# KiCad board rp2350-decoder.kicad_pcb (continued)
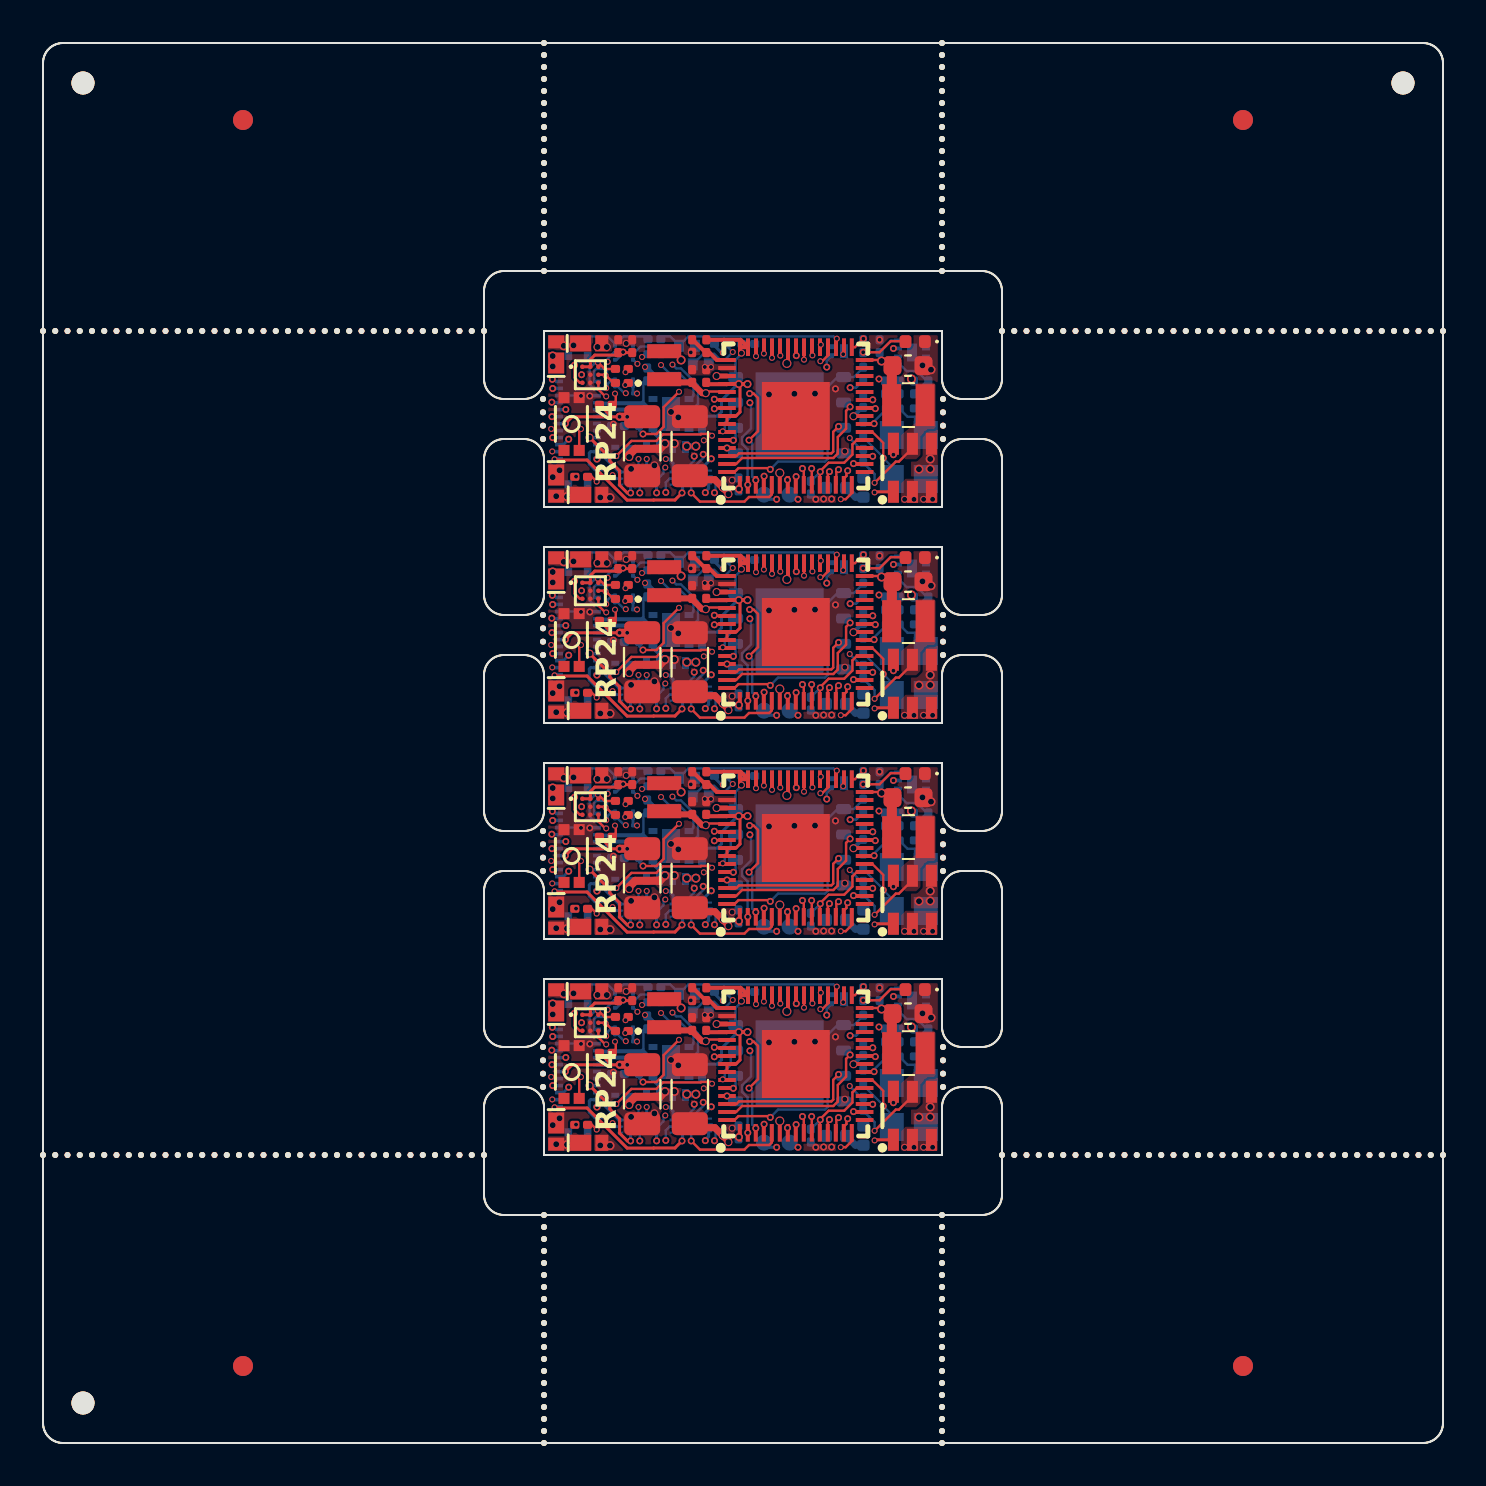
[diagram p0: board, top side]
## Routing (per net, layer and track width the routed paths; a pad name or vN(x,y) marks a point on that pad's centre or on a via; arc(x,y) is an arc through that point) (continued)
Board_2-/COMP_N: length 2.7
  Bottom w0.12: R1#2.2 42.14,30.86 42.78,31.5 R2#3.1 42.35,31.98 42.35,32.47 42.61,32.73 U1.6
Board_2-/COMP_P: length 2.8
  Bottom w0.12: R3#3.2 44.19,31.5 R4#4.1 44.19,31.5 43.7,32 43.18,32 42.85,32.33 U1.5
Board_2-/DCC_TTL_L: length 9.2
  Bottom w0.12: v5(39.69,33.62) 39.67,33.64 39.61,33.64 39.52,33.73 32.27,33.73 31.87,33.33 31.76,33.33 31.36,33.73 31.03,33.73 R6#2.2
Board_2-/DCC_TTL_R: length 6.1
  Top w0.12: U4#2.41 v5(36.45,32.66)
  In2.Cu w0.12: v5(34.49,32.95) 34.49,32.95 34.81,33.27 36.1,33.27 36.45,32.92 v5(36.45,32.66)
  Bottom w0.12: 34.11,33.33 v5(34.49,32.95) 34.1,32.56 33.86,32.56 33.56,32.86 33.02,32.86 D8#4.1
Board_2-/GPIO2: length 4.6
  Top w0.12: U4#2.4 36.04,26.73 v3(36.05,26.74)
  In4.Cu w0.12: v3(33.57,25.91) 33.57,26.3 34.16,26.88 35.91,26.88 v3(36.05,26.74)
  Bottom w0.12: v3(33.57,25.91) 33.62,25.96 33.62,26.55 33.45,26.72 Q7#3.2
Board_2-/GPIO3: length 5.8
  Top w0.12: U4#2.5 36.44,25.83 36.31,25.7 35.3,25.7 35.07,25.47 32.85,25.47 v3(32.41,25.91)
  Bottom w0.12: v3(32.41,25.91) 32.41,26.49 32.54,26.62 Q7#3.5
Board_2-/GPIO4: length 7.6
  In2.Cu w0.12: v3(37.23,26.55) 37.06,26.39 35.99,26.39 35.07,25.47 31.6,25.47 v3(31.14,25.93)
  Bottom w0.12: Q8.5 31.33,26.62 31.14,26.43 v3(31.14,25.93)
Board_2-/GPIO5: length 10.1
  Top w0.12: U4#2.8 37.64,26.71 v3(37.65,26.72)
  In4.Cu w0.12: v3(29.84,25.91) 30.27,25.47 36.08,25.47 36.82,26.21 37.42,26.21 37.6,26.39 37.6,26.67 v3(37.65,26.72)
  Bottom w0.12: v3(29.84,25.91) 29.84,26.52 29.94,26.62 Q6.5
Board_2-/GPIO6: length 11.4
  Top w0.12: v3(37.97,27.12) 38.04,27.06 U4#2.9
  In4.Cu w0.12: v5(28.48,26.79) 28.51,26.79 28.75,26.55 33.49,26.55 34.06,27.12 35.91,27.12 36.22,27.43 37.67,27.43 v3(37.97,27.12)
  Bottom w0.12: v5(28.48,26.79) 28.51,26.79 28.68,26.62 Q5#3.5
Board_2-/GPIO7: length 11.8
  Top w0.12: U4#2.10 38.44,27.12 v3(38.43,27.12)
  In4.Cu w0.12: 38.43,27.15 38.43,27.33 38.1,27.66 36.13,27.66 35.81,27.34 33.96,27.34 33.4,26.78 30.4,26.78 29.74,27.44 29.74,27.52 29.77,27.55 v5(29.77,27.6)
  Bottom w0.12: Q5#3.2 29.64,26.72 29.77,26.85 v5(29.77,27.6)
Board_2-/GPIO8: length 10.4
  Top w0.12: U4#2.12 39.24,26.89 v3(39.32,26.97)
  In4.Cu w0.12: v5(31.11,27.18) 31.2,27.18 31.33,27.05 33.34,27.05 33.87,27.58 35.72,27.58 36.03,27.89 38.42,27.89 39.32,26.99 v3(39.32,26.97)
  Bottom w0.12: v5(31.11,27.18) 31.07,27.18 31.03,27.13 31.03,26.89 30.85,26.72 Q6.2
Board_2-/GPIO9: length 9.8
  Top w0.12: v3(39.78,27.07) 39.67,26.96 39.67,26.34
  In4.Cu w0.12: v3(33.01,27.83) 33.13,27.96 33.56,27.96 33.71,27.8 35.62,27.8 35.93,28.12 38.73,28.12 v3(39.78,27.07)
  Bottom w0.12: v3(33.01,27.83) 33.01,27.65 32.36,27 32.36,26.94 32.14,26.72 Q8.2
Board_2-/GPIO25: length 11.4
  Top w0.12: v5(38.05,32.57) U4#2.37
  In4.Cu w0.12: v5(31.47,32.32) 31.69,32.1 32.09,32.1 32.79,32.8 33.58,32.8 33.94,32.44 35.5,32.44 35.95,31.98 37.47,31.98 v5(38.05,32.57)
  Bottom w0.12: U6.6 32.35,30.1 32.35,30.1 32.5,30.1 32.68,30.28 32.7,30.28 32.7,30.3 32.75,30.35 32.75,31.28 31.9,32.13 31.66,32.13 v5(31.47,32.32)
Board_2-/GPIO26: length 10
  Top w0.12: U4#2.40 36.85,32.78 v5(36.86,32.77)
  In4.Cu w0.12: v5(36.86,32.77) 36.36,33.27 31.57,33.27 30.9,32.6 v5(30.9,32.3)
  Bottom w0.12: v5(30.9,32.3) 31.3,31.9 31.8,31.9 32.52,31.18 32.52,30.77 32.43,30.68 32.4,30.68 32.35,30.63 32.33,30.63 U6.5
Board_2-/I2S_BCLK: length 14.4
  Top w0.12: U5#4.C1 26.84,31.41 26.58,31.67 26.58,32.2 26.58,32.2 v3(26.58,32.29)
  In4.Cu w0.12: v5(38.89,33.31) 38.89,33.37 38.53,33.73 27.73,33.73 27.29,33.29 27.29,33.01 26.58,32.29 v3(26.58,32.29)
Board_2-/I2S_DIN: length 14.5
  Top w0.12: U4#2.34 39.25,32.78 38.96,32.49 v5(38.87,32.49)
  In4.Cu w0.12: v5(38.87,32.49) 38.87,32.88 38.25,33.5 30.19,33.5 29.29,32.6 28.57,32.6 28.39,32.78 27.59,32.78 26.93,32.11 v3(26.93,31.81)
Board_2-/I2S_LRCLK: length 15.9
  Top w0.12: U5#4.C3 27.77,31.08 28.12,30.73 v5(28.16,30.73) ; U4#2.36 38.45,32.8 v5(38.47,32.78)
  In3.Cu w0.12: v5(28.16,30.73) 28.12,30.73 28.03,30.82 28.03,30.82 27.84,31.01 27.84,31.01 27.35,31.5 27.35,33.35 27.73,33.73 37.52,33.73 v5(38.47,32.78)
Board_2-/LAMP_FRONT: length 4.6
  Top w0.15: v3(29.38,25.91) 29.22,25.91 28.83,26.29 28.83,27.01 28.34,27.5 28.34,27.67 27.34,28.67 v1(27.33,28.67)
  Bottom w0.15: 27.7,28.67 27.33,28.67 v1(27.33,28.67) ; v3(29.38,25.91) Q5#3.3
Board_2-/LAMP_REAR: length 2.1
  Bottom w0.15: Q5#3.6 28.8,26.95 28.09,27.66 28.09,28.17 27.93,28.33 27.7,28.33
Board_2-/MOTOR_A: length 3.2
  Bottom w0.2: 30.52,29.6 30.5,29.6 U6.2 30.28,29.6 29.81,30.07 28.39,30.07 28.04,29.73 27.7,29.73
Board_2-/MOTOR_B: length 4.4
  Bottom w0.12: 29.95,30.39 29.95,30.44 30.02,30.51 30.02,31.45 30.08,31.51 R18#3.2
  Bottom w0.2: 27.7,30.08 28,30.38 28.01,30.37 28.31,30.37 28.33,30.39 30.01,30.39 30.3,30.1 U6.3
Board_2-/QSPI_CS: length 10.5
  Top w0.12: 34.58,26.95 34.77,27.14 36.3,27.14 v3(36.36,27.08)
  Bottom w0.12: R8#4.1 41.01,32.16 40.54,31.7 U3#4.1 ; v3(36.36,27.08) 36.75,27.47 39.1,27.47 39.23,27.6 39.23,31.2 39.72,31.7
Board_2-/QSPI_SCLK: length 0.7
  Bottom w0.12: U3#4.6 34.63,28.65 v3(34.52,28.53)
Board_2-/QSPI_SD0: length 0.4
  Bottom w0.12: 34.47,27.88 v3(34.2,28.15)
Board_2-/QSPI_SD1: length 8.7
  Top w0.12: U4#2.59 34.65,27.35 34.95,27.65 39.52,27.65 39.74,27.87 39.74,28.7 40.15,29.11 40.15,30.01 v3(40.35,30.21)
  Bottom w0.12: v3(40.35,30.21) 40.14,30.42
Board_2-/QSPI_SD2: length 6.8
  Top w0.12: U4#2.58 34.67,27.75 34.8,27.88 39.42,27.88 39.51,27.97 39.51,28.96 v3(39.78,29.23)
Board_2-/QSPI_SD3: length 1.7
  Bottom w0.12: v5(33.99,28.98) 33.99,28.98 34.09,29.08 34.09,29.41 34.39,29.71 34.39,30.19 U3#4.7
Board_2-/RC_TX: length 14.6
  Top w0.12: R13.2 27.44,26.71 v5(27.68,26.47) ; U4#2.15 40.44,25.89 40.13,25.59 v5(39.89,25.59)
  In1.Cu w0.12: v5(27.68,26.47) 27.94,26.22 28.36,26.22 29.11,25.47 36.08,25.47 36.55,25.94 39.58,25.94 39.89,25.63 v5(39.89,25.59)
Board_2-/SPEAKER_N: length 2.5
  Top w0.12: U5#4.B3 28.1,31.81 v5(28.13,31.78) 28.22,31.69 28.24,31.69 28.58,31.35
  Bottom w0.12: 27.56,31.45 27.56,32.01 27.65,32.1 28.1,32.1 28.2,32 28.2,31.85 v5(28.13,31.78)
Board_2-/SPEAKER_P: length 3
  Top w0.12: U5#4.A3 27.77,32.4 v5(27.74,32.42) 27.77,32.42 28.09,32.1 28.57,32.1
  Bottom w0.12: J3#3.2 27.52,31.13 27.33,31.32 27.33,32.13 27.62,32.42 v5(27.74,32.42)
Board_2-/SWCLK: length 10.1
  Top w0.15: v3(41.62,30.12) 41.58,30.15 U4#2.24
  In4.Cu w0.15: v3(41.62,30.12) 41.72,30.12 43.14,28.7 43.14,27.56 42.51,26.93 41.29,26.93 40.66,26.3 38.22,26.3 37.75,25.83 v3(37.75,25.59)
Board_2-/SWDIO: length 12
  Top w0.15: U4#2.25 41.48,30.55 v3(41.49,30.56)
  In4.Cu w0.15: v3(41.49,30.56) 41.26,30.33 41.26,29.95 41.48,29.73 41.74,29.73 42.88,28.59 42.88,27.67 42.41,27.19 41.18,27.19 40.55,26.56 38.12,26.56 37.52,25.97 37.01,25.97 36.68,25.63 v3(36.68,25.58)
  Bottom w0.15: v3(36.68,25.58) 36.29,25.58 J1#3.1
Board_2-/SWITCH: length 4.1
  Top w0.12: U2#3.5 43.47,28.15 42.79,27.47 42.64,27.47 v5(41.58,26.41)
  Bottom w0.12: v5(41.58,26.41) 41.58,26.84 41.5,26.92 41.5,26.92 41.32,27.1 41.32,27.1 41.09,27.33 41.06,27.33 41.01,27.38 C4#4.2
Board_2-/TRACK_LEFT: length 3.5
  Bottom w0.12: R6#2.1 30.22,33.62 30.19,33.62 30.08,33.73 29.02,33.73 28.62,33.33 28.62,33.28 Q4#2.6 28.6,33.36 28.23,33.73 27.3,33.73
  vias: v7(26.04,33.26) v7(26.52,33.28)
Board_2-/TRACK_RIGHT: length 18.9
  In2.Cu w0.12: v7(25.66,25.74) 25.66,26.31 26.22,26.87 26.22,27.66 25.83,28.06 25.83,28.82 25.75,28.9 25.75,29.5 25.79,29.54 25.79,29.88 25.77,29.9 25.77,30.1 25.79,30.11 25.79,30.64 26.55,31.4 27,31.4 27.35,31.75 27.35,31.95 ; 27.35,31.95 27.35,31.8 28.01,31.14 v5(28.16,31.14) ; 27.35,31.95 27.35,33.36 27.73,33.73 33.22,33.73 34,32.95 34,32.93 33.99,32.92 v5(33.99,32.91)
  Bottom w0.12: v5(28.16,31.14) 28.2,31.1 28.22,31.1 28.24,31.12 28.24,31.36 28.46,31.58 Q3#3.6
  Bottom w0.15: v5(33.99,32.91) 33.99,32.92 33.96,32.95 33.89,32.95 33.5,33.34 33.5,33.36 33.51,33.36 R7.2
  vias: v7(26.2,25.72)
Board_2-/USB_N: length 7.2
  Top w0.12: v3(33.57,30.59) 33.6,30.55 U4#2.51
  In1.Cu w0.12: v3(33.57,30.59) 33.45,30.47 31.75,30.47 30.4,31.82 29.7,31.82 29.26,32.26 28.98,32.26 28.79,32.07 28.79,31.62 v5(29.11,31.3)
Board_2-/USB_P: length 7
  Top w0.12: U4#2.52 33.61,30.15 v3(33.57,30.11)
  In1.Cu w0.12: v3(33.57,30.11) 33.45,30.23 33.2,30.23 arc(33.13,30.2) 33.11,30.13 33.11,30.05 arc(33.08,29.98) 33.02,29.96 32.97,29.96 arc(32.9,29.98) 32.88,30.05 32.88,30.13 arc(32.85,30.2) 32.79,30.23 32.74,30.23 arc(32.67,30.2) 32.65,30.13 32.65,30.05 arc(32.62,29.98) 32.56,29.96 32.51,29.96 arc(32.44,29.98) 32.42,30.05 32.42,30.13 arc(32.39,30.2) 32.33,30.23 32.28,30.23 arc(32.21,30.2) 32.19,30.13 32.19,30.05 arc(32.16,29.98) 32.1,29.96 32.05,29.96 arc(31.98,29.98) 31.96,30.05 31.96,30.13 arc(31.93,30.2) 31.87,30.23 31.65,30.23 30.3,31.58 29.59,31.58 29.23,31.94 v5(29.13,31.94)
Board_2-/XIN: length 4.7
  Top w0.11: v3(42.01,27.65) 42.01,28.41 41.47,28.95 U4#2.21
  Bottom w0.11: Y1#4.1 42.44,27.22 v3(42.01,27.65) 42.01,27.69 41.01,28.69 C11.1
Board_2-/XOUT: length 1.5
  Top w0.12: U4#2.22 41.54,29.35 v3(41.55,29.37)
  Bottom w0.12: R5.2 42.17,30.09 41.55,29.47 v3(41.55,29.37)
Board_2-GND: length 3.8
  Bottom w0.12: C13#3.2 34.53,26.65 34.45,26.58 34.45,26.54 v6(34.45,26.54) ; v6(29.16,33.38) 29.4,33.38 29.5,33.28 Q4#2.1 ; Q8.1 32.05,27.02 32.56,27.53 v3(32.56,27.74) ; 25.8,30.77 26.88,30.77 v3(26.9,30.76)
  Bottom w0.15: Q6.1 30.57,27.16 v1(30.57,27.28) ; 27.7,30.77 27.36,30.77 v3(27.34,30.75) ; v1(29.4,27.11) 29.4,27.03 Q5#3.1
  Bottom w0.2: 31.59,30.06 31.59,30.25
  vias: v1(27.72,33.2) v1(28.19,33.2) v1(31.4,29.95) v1(31.76,29.68) v3(28.52,29.34) v3(38.64,25.58) v3(39.03,25.6) v3(39.43,25.6) v3(39.62,31.11) v3(41.83,33.56) v5(32.39,32.93) v5(33.09,32.2) v5(33.4,32.2) v6(40.09,27.99) v7(27.87,25.68) v7(28.35,25.67) v7(36.3,30.83) v7(37.57,30.86) v7(38.6,30.87) v7(43.8,27.09) v7(43.97,32.28) v7(44.4,32.06) v7(44.36,27.6) v7(44.36,27.1)
Board_2-Net-(C8-Pad1): length 2.9
  Bottom w0.12: R5.1 43.23,29.71 43.79,29.71 C8#4.1 ; Y1#4.3 43.6,29.34 43.6,29.71
Board_2-Net-(D9-A): length 2.3
  Top w0.12: 43.1,33.49 42.38,33.49 41.83,32.94 v3(41.01,32.94)
Board_2-Net-(Q2-G): length 4.7
  In4.Cu w0.12: v3(42.52,33.13) 41.99,33.13 40.98,32.12 39.92,32.12 39.92,32.12 39.27,32.12 v3(39.19,32.19)
  Bottom w0.12: v3(39.19,32.19) 39.19,32.51 39.41,32.74 39.48,32.74 39.5,32.72 ; v3(42.52,33.13) 42.6,33.13 42.6,33.12 U1.7
Board_2-Net-(Q3A-B1): length 4
  In2.Cu w0.12: v5(29.7,30.88) 29.7,31.32 30.42,32.04 30.42,32.33 30.05,32.7 v5(29.95,32.7)
  Bottom w0.12: Q3#3.2 Q3#3.3 ; Q3#3.3 29.7,30.88 v5(29.7,30.88) ; Q3#3.3 Q3#3.1 ; R12#3.1 30.09,32.84 v5(29.95,32.7)
Board_2-Net-(Q3B-B2): length 10.3
  In2.Cu w0.12: v5(29.14,30.89) 28.65,30.41 28.03,30.41 27.69,30.75 27.69,30.91 27.5,31.1 26.76,31.1 26.49,30.83 26.49,28.88 26.65,28.71 v5(26.65,26.72)
  In3.Cu w0.12: v5(29.14,30.89) 29.26,30.89 29.72,31.35 v5(29.72,32.36)
  Bottom w0.12: v5(29.72,32.36) 29.7,32.38 29.7,32.38 29.52,32.56 Q4#2.3 ; v5(29.14,30.89) 29.07,30.89 28.73,31.23 Q3#3.5
Board_2-Net-(Q3B-E2): length 3.1
  Top w0.12: v5(28.6,30.87) 28.63,30.87 28.64,30.86 28.64,30.49 R11#3.2
  In3.Cu w0.12: v5(28.24,32.46) 28.64,32.06 28.64,30.91 v5(28.6,30.87)
  Bottom w0.12: Q4#2.5 28.53,32.91 28.24,32.62 v5(28.24,32.46)
Board_2-Net-(Q4A-B1): length 1.7
  Bottom w0.12: R12#3.2 30.51,33.22 29.87,33.22 29.56,32.91 Q4#2.2
Board_2-Net-(R8-Pad2): length 17.1
  Top w0.12: v5(26.9,29.1) 26.81,29.01 SW1#4.2
  In3.Cu w0.12: v5(33.04,28.53) 33.04,28.5 33.09,28.44 33.94,28.44 34.63,29.14 38.47,29.14 39.78,30.44 39.78,30.45 40.36,31.03 40.36,31.16 v3(40.36,31.17)
  In4.Cu w0.12: v5(33.04,28.53) 32.8,28.77 31.28,28.77 30.85,29.2 29.57,29.2 29.37,28.99 27.71,28.99 27.6,29.1 v5(26.9,29.1)
  Bottom w0.12: R8#4.2 41.01,31.52 40.66,31.17 40.36,31.17 v3(40.36,31.17)
Board_2-Net-(U2-BST): length 3.5
  In1.Cu w0.12: v3(42.52,27.81) 41.69,28.65 v5(40.34,28.65)
  Bottom w0.12: C4#4.1 41.01,28.05 40.98,28.02 40.96,28.02 40.34,28.64 v5(40.34,28.65)
Board_2-Net-(U4-GPIO19): length 0.8
  Top w0.12: v3(41.02,33.62) 40.59,33.19 U4#2.31
Board_2-Net-(U4-VREG_AVDD): length 2.2
  Top w0.2: C15#4.1 32.49,33.56 33.13,32.92 R14#4.1 33.32,32.92 33.69,32.55 U4#2.46
Board_2-Net-(U4-VREG_LX): length 2.6
  Top w0.25: v1(33.68,31.75) U4#2.48
  In1.Cu w0.35: v7(31.9,32.55) 31.94,32.55 32.74,31.75 v1(33.68,31.75)
Board_2-VDC: length 12.2
  In3.Cu w0.12: v3(41.8,31.6) 41.32,31.6 40.54,30.82 40.48,30.82 40.01,30.35 40.01,30.35 38.57,28.91 35.18,28.91 34.95,28.68 34.95,28.3 34.4,27.75 33.85,27.75 33.39,28.21 32.67,28.21 v7(32.64,28.24)
  Bottom w0.12: 32.67,28.21 v7(32.64,28.24)
  Bottom w0.15: v5(25.41,29.1) 25.48,29.03 25.63,29.03 25.64,29.02 J3#3.17
  Bottom w0.3: D5.2 32.18,28.2 32.21,28.23 32.63,28.23 v7(32.64,28.24)
  vias: v7(25.49,32.75) v7(25.49,32.23) v7(25.49,26.69) v7(25.83,27.04) v7(32.19,28.24)
Board_3-+1V1: length 20.5
  Top w0.12: 34.18,20.17 33.22,20.17 v1(33.14,20.09)
  Top w0.2: U4.39 37.25,21.64 v2(37.19,21.58) ; U4.23 40.58,18.95 40.57,18.94 v1(40.52,18.94)
  Top w0.3: 32.46,20.59 32.96,20.09 v1(33.14,20.09) ; 31.2,20.63 C9#3.1
  In1.Cu w0.3: v1(40.52,18.94) 39.62,18.94 36.84,16.16 v2(36.84,16.1) ; 37.19,21.58 36.96,21.35 34.76,21.35 33.67,20.26 33.31,20.26 v1(33.14,20.09)
  In2.Cu w0.3: v2(37.19,21.58) 37.25,21.58 37.97,20.86 40.48,20.86 40.8,20.55 40.8,19.21 v1(40.52,18.94)
  Bottom w0.2: v1(40.52,18.94) 40.91,19.32
Board_3-+3.3V: length 36.4
  Top w0.12: v4(34.8,15.3) 34.8,15.47 ; 41.93,21.7 41.88,21.75 U4.30 ; U4.20 40.69,17.75 40.47,17.53 40.47,17.02 40.06,16.61 39.28,16.61 38.86,16.2 v3(38.86,16.16) 38.84,16.14 U4.11 ; 28.42,18.91 R11#4.1 ; 29.88,18.84 29.81,18.91 ; v6(34.92,22.09) 34.93,22.1
  Top w0.15: U2#2.1 41.61,15.16 v5(41.58,15.13) ; v4(34.79,20.55) 34.85,20.49 34.85,19.15 34.65,18.95 U4.53 U4.54 ; v3(26.12,18.57) 26.46,18.91 v5(29.21,18.91) ; C18.1 C17#2.1 28.63,22 27.59,22 27.37,21.78 U5.A2 U5.A1 ; 34.93,22.12 34.85,22.2 34.92,22.13 v6(34.92,22.09) 34.92,22.12
  Top w0.2: v4(35.23,20.55) v4(34.79,20.55) 34.79,20.55 U4.49 34.19,20.54 33.25,20.54 ; U4.45 U4.44 34.88,22.76 R14.2 ; 34.92,22.16 v6(34.92,22.09)
  Top w0.3: v7(41.93,21.7) 41.93,21.7
  Top w0.4: 29.96,18.92 28.83,18.92 28.83,18.91
  Top w0.5: C5#3.1 42.47,21.23 42.44,21.19 42.44,19.49
  In1.Cu w0.4: 28.83,18.91 28.84,18.91 v5(29.21,18.91) 30.89,18.91 31.15,18.65 31.18,18.65 31.19,18.64 31.28,18.64 31.55,18.37 31.98,18.37 32.13,18.52
  Bottom w0.12: v3(29,22.15) 28.89,22.03 28.89,21.97 28.68,21.76 Q4.4 ; C1#2.2 41.83,21.8 v7(41.93,21.7) ; 34.99,22.12 34.63,21.76 U3.8 ; C7.1 34.9,22.51 34.9,22.44 34.92,22.42 v6(34.92,22.09) ; C14#2.1 38.86,16.16 v3(38.86,16.16) ; U1#4.8 42.41,22.72 41.83,22.14
  Bottom w0.15: J3#2.18 26.11,18.57 26.12,18.57 v3(26.12,18.57) ; C19#4.1 32.98,18.94 33.71,18.94 33.93,19.16 33.93,19.74 34.73,20.55 v4(34.79,20.55)
  Bottom w0.2: U6#2.8 U6#2.7 32.33,18.83 32.35,18.83 32.4,18.88 32.91,18.88 32.95,18.92 C19#4.1
  vias: v3(37.66,21.97) v5(28.83,18.91) v7(43.42,20.8)
Board_3-/ADC_EMF_A: length 9.7
  Top w0.12: v3(30,18.05) 30.67,18.05 31.03,18.41 31.03,19.39 v5(31.8,20.16)
  In3.Cu w0.12: v5(36.05,22.07) 36.05,21.88 35.31,21.15 34.4,21.15 33.83,20.58 32.23,20.58 31.81,20.16 v5(31.8,20.16)
  Bottom w0.12: v3(30,18.05) 29.81,18.24 29.81,18.47 R16.1 29.76,18.44 29.4,18.44 29.39,18.45 R17#4.2
Board_3-/ADC_EMF_B: length 8
  Top w0.12: v5(35.65,21.94) U4.43
  In3.Cu w0.12: v5(35.65,21.94) 35.46,21.75 32.6,21.75 31.55,20.7 30.5,20.7 30.07,21.13 30.07,21.37 v5(30.1,21.4)
  Bottom w0.12: R19.2 30.28,21.35 R18#2.1
Board_3-/AUX1 (VDC): length 5.4
  In1.Cu w0.15: v5(30.18,16.8) 30.17,16.79 30.17,16.38 29.71,15.92 29.1,15.92 28.66,16.36 28.27,16.36 v5(28.17,16.26)
  Bottom w0.15: J3#2.11 27.39,17.17 27.31,17.1 27.31,16.54 27.6,16.26 v5(28.17,16.26) ; v5(30.18,16.8) 30.18,16.17 Q6#2.6
Board_3-/AUX2 (VDC): length 4.6
  In1.Cu w0.15: v3(27.7,16.79) 27.69,16.79 27.69,16.79 27.61,16.71 27.61,16.29 28.24,15.66 30.13,15.66 v3(30.68,15.11)
  Bottom w0.15: v3(30.68,15.11) 30.68,15.11 Q6#2.3 ; v3(27.7,16.79) 27.7,16.8 27.7,16.83
Board_3-/AUX3: length 18.8
  Top w0.12: 41.09,16.94 41.48,16.94 v3(41.48,16.93)
  In4.Cu w0.12: v3(25.44,19.64) 25.55,19.75 26.15,19.75 26.3,19.6 28.3,19.6 28.45,19.75 30,19.75 30.84,20.59 33.19,20.59 33.43,20.35 34.1,20.35 36.44,18.01 39.02,18.01 39.49,17.53 39.88,17.53 40.23,17.53 40.83,16.93 v3(41.48,16.93)
  Bottom w0.12: 25.8,19.62 25.48,19.62 25.47,19.64 v3(25.44,19.64)
Board_3-/AUX4: length 16.7
  Top w0.12: U4.17 40.55,16.55 v3(40.53,16.57)
  In4.Cu w0.12: v3(40.53,16.57) 40.25,16.84 40.02,16.84 39.85,16.84 39.39,17.3 38.92,17.78 36.35,17.78 36.07,18.05 36.07,18.05 35.74,18.38 34.63,18.38 34.05,18.97 33.42,18.97 32.78,19.61 30.18,19.61 30.1,19.52 28.56,19.52 28.39,19.35 26.21,19.35 v3(26.14,19.28)
  Bottom w0.12: 25.8,19.28 v3(26.14,19.28)
Board_3-/AUX5 (VDC): length 9.8
  In4.Cu w0.15: v3(33.41,16.81) 33.18,16.58 31.83,16.58 31.47,16.94 31.47,16.94 31.28,17.13 31.28,17.13 31.25,17.16 30.84,17.16 30.59,17.41 29.71,17.41 29.58,17.55 28.38,17.55 28.28,17.45 27.15,17.45 26.45,18.15 26.44,18.15 26.43,18.15 26.14,18.15 26.13,18.15 25.76,18.15 25.48,17.88 v3(25.48,17.87)
  Bottom w0.15: v3(33.41,16.81) 32.8,16.2 Q7#4.6
Board_3-/AUX6 (VDC): length 6.9
  In4.Cu w0.15: v3(26.29,17.79) 26.93,17.15 27.54,17.15 27.55,17.16 27.85,17.16 27.85,17.15 28.35,17.15 28.49,17.29 29.47,17.29 29.61,17.15 30.48,17.15 30.83,16.8 v5(31.14,16.8)
  Bottom w0.15: v3(26.29,17.79) 26.02,17.53 25.8,17.53 ; Q8#2.6 31.5,16.59 31.29,16.8 31.14,16.8 v5(31.14,16.8)
Board_3-/AUX7 (VDC): length 9.5
  In4.Cu w0.15: v5(25.46,17.18) 25.44,17.2 25.44,17.2 25.45,17.2 25.91,17.2 26.36,16.75 27.15,16.75 28.4,15.5 32.73,15.5 v3(33.12,15.12)
  Bottom w0.15: v5(25.46,17.18) 25.46,17.18 25.8,17.17 ; Q7#4.3 33.28,15.33 33.12,15.16 v3(33.12,15.12)
Board_3-/AUX8 (VDC): length 8.1
  Top w0.15: v3(31.95,15.1) 31.6,14.75 30.53,14.75 30.53,14.75 29.21,14.75 27.2,16.75 25.61,16.75 v5(25.58,16.79)
  Bottom w0.15: Q8#2.3 31.98,15.13 v3(31.95,15.1) ; 25.8,16.83 25.76,16.79 v5(25.58,16.79)
Board_3-/AUX10: length 17.3
  Top w0.12: v3(40.23,16.21) 40.17,16.15 40.17,15.95 40.04,15.82
  In4.Cu w0.12: v3(40.23,16.21) 40.23,16.3 39.92,16.61 39.76,16.61 38.82,17.55 36.25,17.55 35.65,18.15 34.53,18.15 34.12,18.57 32.75,18.57 32.48,18.3 31.45,18.3 31.12,18.63 30.02,18.63 29.4,19.25 28.62,19.25 28.3,18.93 25.45,18.93 25.45,18.93 v3(25.45,18.92)